# Altium PCB top_INA_v1.PcbDoc (part 2 of 4) (continued)
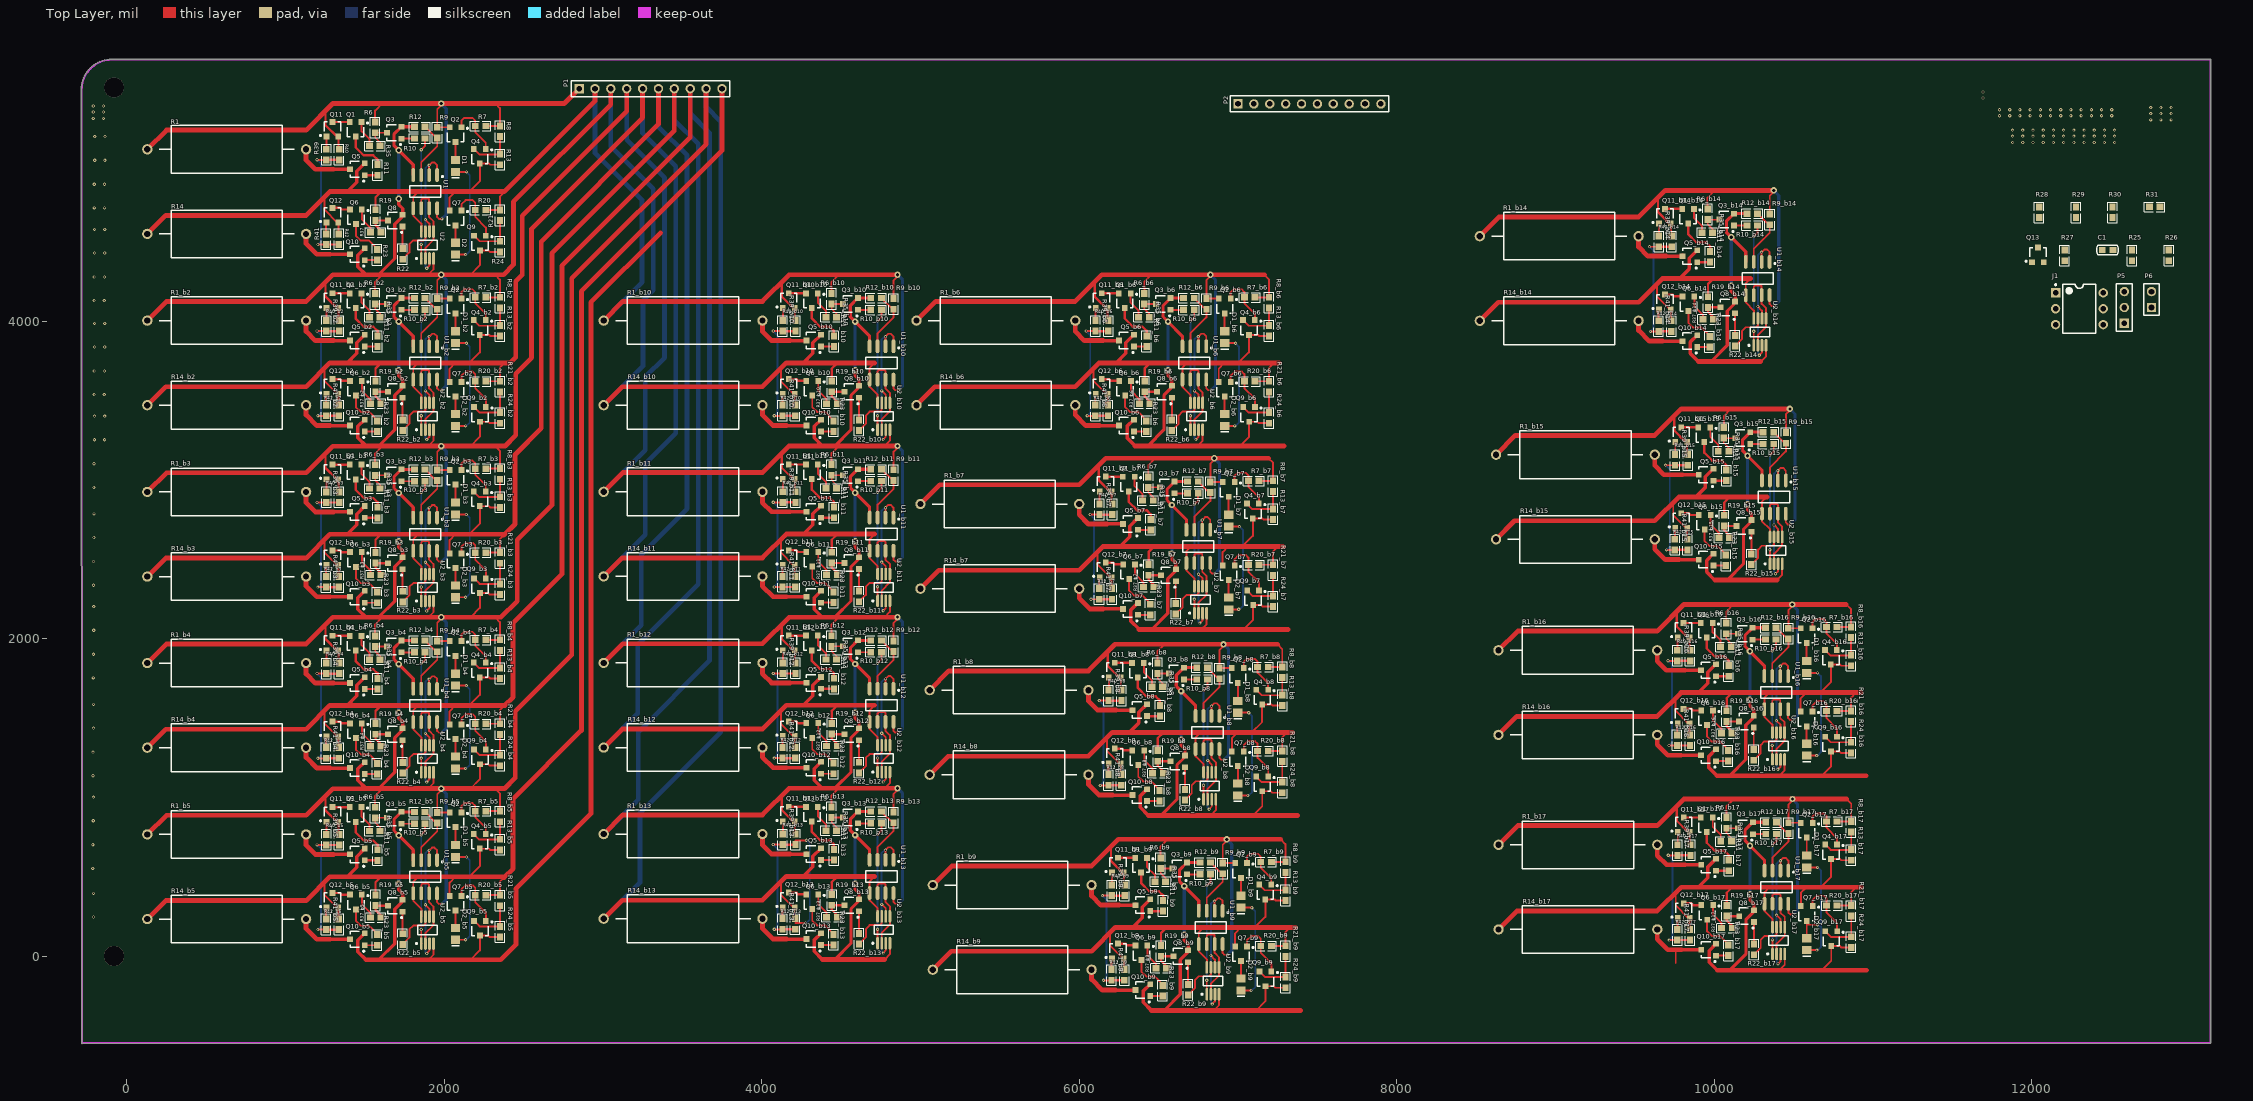
[diagram p0: Top Layer view]
## Nets (pads, with @x,y where several pads share a name; then routed paths per layer and width w, separated by ;. In a path a pad name is that pad's centre, name@x,y a point inside that pad or via, vN(x,y) a via of type N, cw(c..) or ccw(c..) an arc to the next point about the centre after c; other vN are vias at no path point) (continued)
G1_VC1_VOL_b2: R9_b2.1 R12_b2.2 U1_b2.3 | length 381.5
  Top Layer w12: U1_b2.3@1855.87,3841.02 1855.87,3922.54 1956.87,4023.54 R9_b2.1@1956.87,4075.07 1950.06,4075.07 R12_b2.2@1880.2,4144.94
G1_VC1_VOL_b3: R9_b3.1 R12_b3.2 U1_b3.3 | length 381.5
  Top Layer w12: U1_b3.3@1855.87,2762.02 1855.87,2843.54 1956.87,2944.54 R9_b3.1@1956.87,2996.07 1950.06,2996.07 R12_b3.2@1880.2,3065.94
G1_VC1_VOL_b4: R9_b4.1 R12_b4.2 U1_b4.3 | length 381.5
  Top Layer w12: U1_b4.3@1855.87,1684.02 1855.87,1765.54 1956.87,1866.54 R9_b4.1@1956.87,1918.07 1950.06,1918.07 R12_b4.2@1880.2,1987.94
G1_VC1_VOL_b5: R9_b5.1 R12_b5.2 U1_b5.3 | length 381.5
  Top Layer w12: U1_b5.3@1855.87,605.02 1855.87,686.54 1956.87,787.54 R9_b5.1@1956.87,839.07 1950.06,839.07 R12_b5.2@1880.2,908.94
G1_VC1_VOL_b6: R9_b6.1 R12_b6.2 U1_b6.3 | length 381.5
  Top Layer w12: U1_b6.3@6699.87,3841.02 6699.87,3922.54 6800.87,4023.54 R9_b6.1@6800.87,4075.07 6794.06,4075.07 R12_b6.2@6724.2,4144.94
G1_VC1_VOL_b7: R9_b7.1 R12_b7.2 U1_b7.3 | length 381.5
  Top Layer w12: U1_b7.3@6724.87,2685.76 6724.87,2767.28 6825.87,2868.28 R9_b7.1@6825.87,2919.81 6819.06,2919.81 R12_b7.2@6749.2,2989.68
G1_VC1_VOL_b8: R9_b8.1 R12_b8.2 U1_b8.3 | length 381.5
  Top Layer w12: U1_b8.3@6782.87,1513.76 6782.87,1595.28 6883.87,1696.28 R9_b8.1@6883.87,1747.81 6877.06,1747.81 R12_b8.2@6807.2,1817.68
G1_VC1_VOL_b9: R9_b9.1 R12_b9.2 U1_b9.3 | length 381.5
  Top Layer w12: U1_b9.3@6802.87,285.76 6802.87,367.28 6903.87,468.28 R9_b9.1@6903.87,519.81 6897.06,519.81 R12_b9.2@6827.2,589.68
G1_VC1_VOL_b10: R9_b10.1 R12_b10.2 U1_b10.3 | length 381.5
  Top Layer w12: U1_b10.3@4729.87,3841.02 4729.87,3922.54 4830.87,4023.54 R9_b10.1@4830.87,4075.07 4824.06,4075.07 R12_b10.2@4754.2,4144.94
G1_VC1_VOL_b11: R9_b11.1 R12_b11.2 U1_b11.3 | length 381.5
  Top Layer w12: U1_b11.3@4729.87,2763.02 4729.87,2844.54 4830.87,2945.54 R9_b11.1@4830.87,2997.07 4824.06,2997.07 R12_b11.2@4754.2,3066.94
G1_VC1_VOL_b12: R9_b12.1 R12_b12.2 U1_b12.3 | length 381.5
  Top Layer w12: U1_b12.3@4729.87,1685.02 4729.87,1766.54 4830.87,1867.54 R9_b12.1@4830.87,1919.07 4824.06,1919.07 R12_b12.2@4754.2,1988.94
G1_VC1_VOL_b13: R9_b13.1 R12_b13.2 U1_b13.3 | length 381.5
  Top Layer w12: U1_b13.3@4729.87,607.02 4729.87,688.54 4830.87,789.54 R9_b13.1@4830.87,841.07 4824.06,841.07 R12_b13.2@4754.2,910.94
G1_VC1_VOL_b14: R9_b14.1 R12_b14.2 U1_b14.3 | length 381.5
  Top Layer w12: U1_b14.3@10247.87,4372.76 10247.87,4454.28 10348.87,4555.28 R9_b14.1@10348.87,4606.81 10342.06,4606.81 R12_b14.2@10272.2,4676.68
G1_VC1_VOL_b15: R9_b15.1 R12_b15.2 U1_b15.3 | length 381.5
  Top Layer w12: U1_b15.3@10349.87,2996.5 10349.87,3078.02 10450.87,3179.02 R9_b15.1@10450.87,3230.55 10444.06,3230.55 R12_b15.2@10374.2,3300.42
G1_VC1_VOL_b16: R9_b16.1 R12_b16.2 U1_b16.3 | length 381.5
  Top Layer w12: U1_b16.3@10364.87,1764.76 10364.87,1846.28 10465.87,1947.28 R9_b16.1@10465.87,1998.81 10459.06,1998.81 R12_b16.2@10389.2,2068.68
G1_VC1_VOL_b17: R9_b17.1 R12_b17.2 U1_b17.3 | length 381.5
  Top Layer w12: U1_b17.3@10365.87,539.5 10365.87,621.02 10466.87,722.02 R9_b17.1@10466.87,773.55 10460.06,773.55 R12_b17.2@10390.2,843.42
G1_VC2_BUF: U1.6 U1.7 U2.2 U2.5 | length 512.1
  Top Layer w12: U1.6@1855.87,4711.05 1855.87,4763.54 1863.87,4771.54 1900.87,4771.54 1905.87,4766.54 U1.7@1905.87,4711.05 1905.87,4655.54 1933.25,4628.15 U2.5@1933.25,4564.18 1933.25,4510.92 1882.07,4459.74 U2.2@1882.07,4394.89
G1_VC2_BUF_b2: U1_b2.6 U1_b2.7 U2_b2.2 U2_b2.5 | length 512.1
  Top Layer w12: U1_b2.6@1855.87,3632.05 1855.87,3684.54 1863.87,3692.54 1900.87,3692.54 1905.87,3687.54 U1_b2.7@1905.87,3632.05 1905.87,3576.54 1933.25,3549.15 U2_b2.5@1933.25,3485.18 1933.25,3431.92 1882.07,3380.74 U2_b2.2@1882.07,3315.89
G1_VC2_BUF_b3: U1_b3.6 U1_b3.7 U2_b3.2 U2_b3.5 | length 512.1
  Top Layer w12: U1_b3.6@1855.87,2553.05 1855.87,2605.54 1863.87,2613.54 1900.87,2613.54 1905.87,2608.54 U1_b3.7@1905.87,2553.05 1905.87,2497.54 1933.25,2470.15 U2_b3.5@1933.25,2406.18 1933.25,2352.92 1882.07,2301.74 U2_b3.2@1882.07,2236.89
G1_VC2_BUF_b4: U1_b4.6 U1_b4.7 U2_b4.2 U2_b4.5 | length 512.1
  Top Layer w12: U1_b4.6@1855.87,1475.05 1855.87,1527.54 1863.87,1535.54 1900.87,1535.54 1905.87,1530.54 U1_b4.7@1905.87,1475.05 1905.87,1419.54 1933.25,1392.15 U2_b4.5@1933.25,1328.18 1933.25,1274.92 1882.07,1223.74 U2_b4.2@1882.07,1158.89
G1_VC2_BUF_b5: U1_b5.6 U1_b5.7 U2_b5.2 U2_b5.5 | length 512.1
  Top Layer w12: U1_b5.6@1855.87,396.05 1855.87,448.54 1863.87,456.54 1900.87,456.54 1905.87,451.54 U1_b5.7@1905.87,396.05 1905.87,340.54 1933.25,313.15 U2_b5.5@1933.25,249.18 1933.25,195.92 1882.07,144.74 U2_b5.2@1882.07,79.89
G1_VC2_BUF_b6: U1_b6.6 U1_b6.7 U2_b6.2 U2_b6.5 | length 512.1
  Top Layer w12: U1_b6.6@6699.87,3632.05 6699.87,3684.54 6707.87,3692.54 6744.87,3692.54 6749.87,3687.54 U1_b6.7@6749.87,3632.05 6749.87,3576.54 6777.25,3549.15 U2_b6.5@6777.25,3485.18 6777.25,3431.92 6726.07,3380.74 U2_b6.2@6726.07,3315.89
G1_VC2_BUF_b7: U1_b7.6 U1_b7.7 U2_b7.2 U2_b7.5 | length 512.1
  Top Layer w12: U1_b7.6@6724.87,2476.79 6724.87,2529.28 6732.87,2537.28 6769.87,2537.28 6774.87,2532.28 U1_b7.7@6774.87,2476.79 6774.87,2421.28 6802.25,2393.89 U2_b7.5@6802.25,2329.92 6802.25,2276.66 6751.07,2225.48 U2_b7.2@6751.07,2160.63
G1_VC2_BUF_b8: U1_b8.6 U1_b8.7 U2_b8.2 U2_b8.5 | length 512.1
  Top Layer w12: U1_b8.6@6782.87,1304.79 6782.87,1357.28 6790.87,1365.28 6827.87,1365.28 6832.87,1360.28 U1_b8.7@6832.87,1304.79 6832.87,1249.28 6860.25,1221.89 U2_b8.5@6860.25,1157.92 6860.25,1104.66 6809.07,1053.48 U2_b8.2@6809.07,988.63
G1_VC2_BUF_b9: U1_b9.6 U1_b9.7 U2_b9.2 U2_b9.5 | length 512.1
  Top Layer w12: U1_b9.6@6802.87,76.79 6802.87,129.28 6810.87,137.28 6847.87,137.28 6852.87,132.28 U1_b9.7@6852.87,76.79 6852.87,21.28 6880.25,-6.11 U2_b9.5@6880.25,-70.08 6880.25,-123.34 6829.07,-174.52 U2_b9.2@6829.07,-239.37
G1_VC2_BUF_b10: U1_b10.6 U1_b10.7 U2_b10.2 U2_b10.5 | length 512.1
  Top Layer w12: U1_b10.6@4729.87,3632.05 4729.87,3684.54 4737.87,3692.54 4774.87,3692.54 4779.87,3687.54 U1_b10.7@4779.87,3632.05 4779.87,3576.54 4807.25,3549.15 U2_b10.5@4807.25,3485.18 4807.25,3431.92 4756.07,3380.74 U2_b10.2@4756.07,3315.89
G1_VC2_BUF_b11: U1_b11.6 U1_b11.7 U2_b11.2 U2_b11.5 | length 512.1
  Top Layer w12: U1_b11.6@4729.87,2554.05 4729.87,2606.54 4737.87,2614.54 4774.87,2614.54 4779.87,2609.54 U1_b11.7@4779.87,2554.05 4779.87,2498.54 4807.25,2471.15 U2_b11.5@4807.25,2407.18 4807.25,2353.92 4756.07,2302.74 U2_b11.2@4756.07,2237.89
G1_VC2_BUF_b12: U1_b12.6 U1_b12.7 U2_b12.2 U2_b12.5 | length 512.1
  Top Layer w12: U1_b12.6@4729.87,1476.05 4729.87,1528.54 4737.87,1536.54 4774.87,1536.54 4779.87,1531.54 U1_b12.7@4779.87,1476.05 4779.87,1420.54 4807.25,1393.15 U2_b12.5@4807.25,1329.18 4807.25,1275.92 4756.07,1224.74 U2_b12.2@4756.07,1159.89
G1_VC2_BUF_b13: U1_b13.6 U1_b13.7 U2_b13.2 U2_b13.5 | length 512.1
  Top Layer w12: U1_b13.6@4729.87,398.05 4729.87,450.54 4737.87,458.54 4774.87,458.54 4779.87,453.54 U1_b13.7@4779.87,398.05 4779.87,342.54 4807.25,315.15 U2_b13.5@4807.25,251.18 4807.25,197.92 4756.07,146.74 U2_b13.2@4756.07,81.89
G1_VC2_BUF_b14: U1_b14.6 U1_b14.7 U2_b14.2 U2_b14.5 | length 512.1
  Top Layer w12: U1_b14.6@10247.87,4163.79 10247.87,4216.28 10255.87,4224.28 10292.87,4224.28 10297.87,4219.28 U1_b14.7@10297.87,4163.79 10297.87,4108.28 10325.25,4080.89 U2_b14.5@10325.25,4016.92 10325.25,3963.66 10274.07,3912.48 U2_b14.2@10274.07,3847.63
G1_VC2_BUF_b15: U1_b15.6 U1_b15.7 U2_b15.2 U2_b15.5 | length 512.1
  Top Layer w12: U1_b15.6@10349.87,2787.53 10349.87,2840.02 10357.87,2848.02 10394.87,2848.02 10399.87,2843.02 U1_b15.7@10399.87,2787.53 10399.87,2732.02 10427.25,2704.63 U2_b15.5@10427.25,2640.66 10427.25,2587.4 10376.07,2536.22 U2_b15.2@10376.07,2471.37
G1_VC2_BUF_b16: U1_b16.6 U1_b16.7 U2_b16.2 U2_b16.5 | length 512.1
  Top Layer w12: U1_b16.6@10364.87,1555.79 10364.87,1608.28 10372.87,1616.28 10409.87,1616.28 10414.87,1611.28 U1_b16.7@10414.87,1555.79 10414.87,1500.28 10442.25,1472.89 U2_b16.5@10442.25,1408.92 10442.25,1355.66 10391.07,1304.48 U2_b16.2@10391.07,1239.63
G1_VC2_BUF_b17: U1_b17.6 U1_b17.7 U2_b17.2 U2_b17.5 | length 512.1
  Top Layer w12: U1_b17.6@10365.87,330.53 10365.87,383.02 10373.87,391.02 10410.87,391.02 10415.87,386.02 U1_b17.7@10415.87,330.53 10415.87,275.02 10443.25,247.63 U2_b17.5@10443.25,183.66 10443.25,130.4 10392.07,79.22 U2_b17.2@10392.07,14.37
G1_VC2_DISCH: R22.1 U2.7 | length 271.5
  Top Layer w12: R22.1@1738.87,4390.07 1781.87,4433.07 1781.87,4484.54 1805.87,4508.54 1870.87,4508.54 1882.07,4519.74 U2.7@1882.07,4564.18
G1_VC2_DISCH_b2: R22_b2.1 U2_b2.7 | length 271.5
  Top Layer w12: R22_b2.1@1738.87,3311.07 1781.87,3354.07 1781.87,3405.54 1805.87,3429.54 1870.87,3429.54 1882.07,3440.74 U2_b2.7@1882.07,3485.18
G1_VC2_DISCH_b3: R22_b3.1 U2_b3.7 | length 271.5
  Top Layer w12: R22_b3.1@1738.87,2232.07 1781.87,2275.07 1781.87,2326.54 1805.87,2350.54 1870.87,2350.54 1882.07,2361.74 U2_b3.7@1882.07,2406.18
G1_VC2_DISCH_b4: R22_b4.1 U2_b4.7 | length 271.5
  Top Layer w12: R22_b4.1@1738.87,1154.07 1781.87,1197.07 1781.87,1248.54 1805.87,1272.54 1870.87,1272.54 1882.07,1283.74 U2_b4.7@1882.07,1328.18
G1_VC2_DISCH_b5: R22_b5.1 U2_b5.7 | length 271.5
  Top Layer w12: R22_b5.1@1738.87,75.07 1781.87,118.07 1781.87,169.54 1805.87,193.54 1870.87,193.54 1882.07,204.74 U2_b5.7@1882.07,249.18
G1_VC2_DISCH_b6: R22_b6.1 U2_b6.7 | length 271.5
  Top Layer w12: R22_b6.1@6582.87,3311.07 6625.87,3354.07 6625.87,3405.54 6649.87,3429.54 6714.87,3429.54 6726.07,3440.74 U2_b6.7@6726.07,3485.18
G1_VC2_DISCH_b7: R22_b7.1 U2_b7.7 | length 271.5
  Top Layer w12: R22_b7.1@6607.87,2155.81 6650.87,2198.81 6650.87,2250.28 6674.87,2274.28 6739.87,2274.28 6751.07,2285.48 U2_b7.7@6751.07,2329.92
G1_VC2_DISCH_b8: R22_b8.1 U2_b8.7 | length 271.5
  Top Layer w12: R22_b8.1@6665.87,983.81 6708.87,1026.81 6708.87,1078.28 6732.87,1102.28 6797.87,1102.28 6809.07,1113.48 U2_b8.7@6809.07,1157.92
G1_VC2_DISCH_b9: R22_b9.1 U2_b9.7 | length 271.5
  Top Layer w12: R22_b9.1@6685.87,-244.19 6728.87,-201.19 6728.87,-149.72 6752.87,-125.72 6817.87,-125.72 6829.07,-114.52 U2_b9.7@6829.07,-70.08
G1_VC2_DISCH_b10: R22_b10.1 U2_b10.7 | length 271.5
  Top Layer w12: R22_b10.1@4612.87,3311.07 4655.87,3354.07 4655.87,3405.54 4679.87,3429.54 4744.87,3429.54 4756.07,3440.74 U2_b10.7@4756.07,3485.18
G1_VC2_DISCH_b11: R22_b11.1 U2_b11.7 | length 271.5
  Top Layer w12: R22_b11.1@4612.87,2233.07 4655.87,2276.07 4655.87,2327.54 4679.87,2351.54 4744.87,2351.54 4756.07,2362.74 U2_b11.7@4756.07,2407.18
G1_VC2_DISCH_b12: R22_b12.1 U2_b12.7 | length 271.5
  Top Layer w12: R22_b12.1@4612.87,1155.07 4655.87,1198.07 4655.87,1249.54 4679.87,1273.54 4744.87,1273.54 4756.07,1284.74 U2_b12.7@4756.07,1329.18
G1_VC2_DISCH_b13: R22_b13.1 U2_b13.7 | length 271.5
  Top Layer w12: R22_b13.1@4612.87,77.07 4655.87,120.07 4655.87,171.54 4679.87,195.54 4744.87,195.54 4756.07,206.74 U2_b13.7@4756.07,251.18
G1_VC2_DISCH_b14: R22_b14.1 U2_b14.7 | length 271.5
  Top Layer w12: R22_b14.1@10130.87,3842.81 10173.87,3885.81 10173.87,3937.28 10197.87,3961.28 10262.87,3961.28 10274.07,3972.48 U2_b14.7@10274.07,4016.92
G1_VC2_DISCH_b15: R22_b15.1 U2_b15.7 | length 271.5
  Top Layer w12: R22_b15.1@10232.87,2466.55 10275.87,2509.55 10275.87,2561.02 10299.87,2585.02 10364.87,2585.02 10376.07,2596.22 U2_b15.7@10376.07,2640.66
G1_VC2_DISCH_b16: R22_b16.1 U2_b16.7 | length 271.5
  Top Layer w12: R22_b16.1@10247.87,1234.81 10290.87,1277.81 10290.87,1329.28 10314.87,1353.28 10379.87,1353.28 10391.07,1364.48 U2_b16.7@10391.07,1408.92
G1_VC2_DISCH_b17: R22_b17.1 U2_b17.7 | length 271.5
  Top Layer w12: R22_b17.1@10248.87,9.55 10291.87,52.55 10291.87,104.02 10315.87,128.02 10380.87,128.02 10392.07,139.22 U2_b17.7@10392.07,183.66
GND: P6.1 P6.2
  other v1: -208.25,247 -208,396 -212.25,553 -212,702 -209.25,853 -209,1002 -211.25,1137 -211,1286 -208.25,1437 -208,1586 -209.25,1753 -209,1902 -206.25,2053 -206,2202 -208.25,2337 -208,2486 -205.25,2637 -205,2786 -205.25,2953 -205,3102 -202.25,3253 -138,3253 -202,3402 -137.75,3402 -204.25,3537 -140,3537 -204,3686 -139.75,3686 -201.25,3837 -137,3837 -201,3986 -136.75,3986 -204.25,4129 -140,4129 -204,4278 -139.75,4278 -201.25,4429 -137,4429 -201,4578 -136.75,4578 -203.25,4713 -139,4713 -203,4862 -138.75,4862 -200.25,5013 -136,5013 11878.5,5125 11942.75,5125 12007,5125 12071.25,5125 12135.5,5125 12199.75,5125 12264,5125 12328.25,5125 12392.5,5125 12456.75,5125 12521,5125 -200,5162 -135.75,5162 11878.5,5165 11942.75,5165 12007,5165 12071.25,5165 12135.5,5165 12199.75,5165 12264,5165 12328.25,5165 12392.5,5165 12456.75,5165 12521,5165 11878.5,5203 11942.75,5203 12007,5203 12071.25,5203 12135.5,5203 12199.75,5203 12264,5203 12328.25,5203 12392.5,5203 12456.75,5203 12521,5203 12748,5267 12812.25,5267 12876.5,5267 -210,5277 -145.75,5277 11796,5293 11860.25,5293 11924.5,5293 11988.75,5293 12053,5293 12117.25,5293 12181.5,5293 12245.75,5293 12310,5293 12374.25,5293 12438.5,5293 12502.75,5293 12748,5307 12812.25,5307 12876.5,5307 -210,5317 -145.75,5317 11796,5331 11860.25,5331 11924.5,5331 11988.75,5331 12053,5331 12117.25,5331 12181.5,5331 12245.75,5331 12310,5331 12374.25,5331 12438.5,5331 12502.75,5331 12748,5345 12812.25,5345 12876.5,5345 -210,5355 -145.75,5355 11692,5405 11692,5443
IN_A0: P1.1 Q2.2 Q11.2 R1.2 R6.2 R7.2 R8.2 R9.2 R40.1 U1.8 | length 4603.5
  Top Layer w12: Q11.2@1334.4,5162 1334.4,5087.32 R40.1@1339,5082.72 ; R6.2@1565.87,5253.46 1565.87,5325.79 1610.61,5370.54 ; U1.8@1955.87,4711.05 1955.87,4655.54 1967.87,4643.54 v1(1985.87,4643.54) ; v2(1981.87,5370.54) 1981.87,5360.54 1956.87,5335.54 R9.2@1956.87,5221 2034.26,5221 Q2.2@2034.46,5220.8 ; R7.2@2263.33,5228.54 2351.4,5228.54 R8.2@2351.87,5229 2351.87,5340.92 2322.25,5370.54
  Top Layer w15: 1253,5319.79 1253,5233.82 Q11.2@1324.82,5162
  Top Layer w20: Q11.2@1324.82,5162 Q11.2@1334.4,5162
  Top Layer w30: R1.2@131,5082.26 252.02,5203.28 1131,5203.28 1298.25,5370.54 1610.61,5370.54 v2(1981.87,5370.54) ; v2@1991.87,5370.54 2322.25,5370.54 2756.54,5370.54 P1.1@2850,5464
  Bottom Layer w20: v2(1981.87,5370.54) 2013.87,5338.54 2013.87,4671.54 v1(1985.87,4643.54)
IN_A1: P1.3 Q2_b2.2 Q3.2 Q5_b10.2 Q8.2 Q9.3 Q10.2 Q11_b2.2 Q12_b10.2 R1_b2.2 R6_b2.2 R7_b2.2 R8_b2.2 R9_b2.2 R12.1 R14_b10.2 R19_b10.2 R24.1 R40_b2.1 R42_b10.1 U1.4 U1_b2.8 U1_b10.5 U2.4 U2_b10.8 | length 13256.9
  Top Layer w12: Q11_b2.2@1334.4,4083 1334.4,4008.32 R40_b2.1@1339,4003.72 ; R6_b2.2@1565.87,4174.46 1565.87,4246.79 1610.61,4291.54 ; 1898.87,4291.54 1899.8,4292.46 1933.25,4325.92 U2.4@1933.25,4394.89 ; U1_b2.8@1955.87,3632.05 1955.87,3576.54 1967.87,3564.54 v1(1985.87,3564.54) ; v2(1981.87,4291.54) 1981.87,4281.54 1956.87,4256.54 R9_b2.2@1956.87,4142 2034.26,4142 Q2_b2.2@2034.46,4141.8 ; 2166.25,4292.46 2225.87,4352.08 Q9.3@2225.87,4445.28 2278.61,4445.28 2287.81,4436.07 R24.1@2351.87,4436.07 ; R7_b2.2@2263.33,4149.54 2351.4,4149.54 R8_b2.2@2351.87,4150 2351.87,4261.92 2322.25,4291.54 ; 4121,3701.04 4121,3621.26 4200.26,3542 Q12_b10.2@4208.4,3542 4208.4,3473.32 R42_b10.1@4211,3470.72 ; 4710.87,3736.54 4679.87,3705.54 U1_b10.5@4679.87,3632.05 4679.87,3585.54 4730.48,3534.92 U2_b10.8@4730.48,3485.18
  Top Layer w15: 1253,4240.79 1253,4154.82 Q11_b2.2@1324.82,4083 ; R19_b10.2@4441.87,3622 4441.87,3701.54 4476.87,3736.54 4480.87,3736.54
  Top Layer w20: Q11_b2.2@1324.82,4083 Q11_b2.2@1334.4,4083 ; 1589.87,4295.07 1688.87,4394.07 1688.87,4611.09 1739.13,4661.35 Q8.2@1739.13,4670.94 1739.13,4709.28 1714.73,4733.67 v2(1714.73,4770.54) ; 1609.87,4291.54 1610.8,4292.46 ; U1.4@1805.87,4920.02 1805.87,4984.8 v2(1714.73,5075.94) 1683.73,5106.94 1683.73,5176.08 Q3.2@1731.99,5224.34 R12.1@1812.87,5224.34
  Top Layer w22: Q10.2@1500.13,4458.94 1456.87,4415.68 1456.87,4343.54 1507.94,4292.46 ; 4262.87,3736.54 4322.87,3796.54 4322.87,3863.68 Q5_b10.2@4374.13,3914.94
  Top Layer w30: R1_b2.2@131,4003.26 252.02,4124.28 1131,4124.28 1298.25,4291.54 1609.87,4291.54 1610.61,4291.54 1898.87,4291.54 v2(1981.87,4291.54) ; 1507.94,4292.46 1610.8,4292.46 1899.8,4292.46 2166.25,4292.46 2375,4292.46 2437,4354.46 2437,4750.58 3050,5363.58 P1.3@3050,5464 ; v2@1991.87,4291.54 2322.25,4291.54 ; R14_b10.2@3005,3470.26 3121.28,3586.54 4005,3586.54 4155,3736.54 4262.87,3736.54 4476.87,3736.54 ; 4480.87,3736.54 4710.87,3736.54
  Bottom Layer w20: v2(1714.73,4770.54) v2(1714.73,5075.94) ; v2(1981.87,4291.54) 2013.87,4259.54 2013.87,3592.54 v1(1985.87,3564.54)
  Bottom Layer w30: R14_b10.2@3005,3470.26 3252,3717.26 3252,4129.26 3317.74,4195 3317.74,4832.74 3050,5100.47 P1.3@3050,5464
IN_A2: P1.5 Q2_b3.2 Q3_b2.2 Q5_b11.2 Q8_b2.2 Q9_b2.3 Q10_b2.2 Q11_b3.2 Q12_b11.2 R1_b3.2 R6_b3.2 R7_b3.2 R8_b3.2 R9_b3.2 R12_b2.1 R14_b11.2 R19_b11.2 R24_b2.1 R40_b3.1 R42_b11.1 U1_b2.4 U1_b3.8 U1_b11.5 U2_b2.4 U2_b11.8 | length 15536.3
  Top Layer w12: Q11_b3.2@1334.4,3004 1334.4,2929.32 R40_b3.1@1339,2924.72 ; R6_b3.2@1565.87,3095.46 1565.87,3167.79 1610.61,3212.54 ; 1898.87,3212.54 1899.8,3213.46 1933.25,3246.92 U2_b2.4@1933.25,3315.89 ; U1_b3.8@1955.87,2553.05 1955.87,2497.54 1967.87,2485.54 v1(1985.87,2485.54) ; v2(1981.87,3212.54) 1981.87,3202.54 1956.87,3177.54 R9_b3.2@1956.87,3063 2034.26,3063 Q2_b3.2@2034.46,3062.8 ; 2166.25,3213.46 2225.87,3273.08 Q9_b2.3@2225.87,3366.28 2278.61,3366.28 2287.81,3357.07 R24_b2.1@2351.87,3357.07 ; R7_b3.2@2263.33,3070.54 2351.4,3070.54 R8_b3.2@2351.87,3071 2351.87,3182.92 2322.25,3212.54 ; 4121,2623.04 4121,2543.26 4200.26,2464 Q12_b11.2@4208.4,2464 4208.4,2395.32 R42_b11.1@4211,2392.72 ; 4710.87,2658.54 4679.87,2627.54 U1_b11.5@4679.87,2554.05 4679.87,2507.54 4730.48,2456.92 U2_b11.8@4730.48,2407.18
  Top Layer w15: 1253,3161.79 1253,3075.82 Q11_b3.2@1324.82,3004 ; R19_b11.2@4441.87,2544 4441.87,2623.54 4476.87,2658.54 4480.87,2658.54
  Top Layer w20: Q11_b3.2@1324.82,3004 Q11_b3.2@1334.4,3004 ; 1589.87,3216.07 1688.87,3315.07 1688.87,3532.09 1739.13,3582.35 Q8_b2.2@1739.13,3591.94 1739.13,3630.28 1714.73,3654.67 v2(1714.73,3691.54) ; 1609.87,3212.54 1610.8,3213.46 ; U1_b2.4@1805.87,3841.02 1805.87,3905.8 v2(1714.73,3996.94) 1683.73,4027.94 1683.73,4097.08 Q3_b2.2@1731.99,4145.34 R12_b2.1@1812.87,4145.34
  Top Layer w22: Q10_b2.2@1500.13,3379.94 1456.87,3336.68 1456.87,3264.54 1507.94,3213.46 ; 4262.87,2658.54 4322.87,2718.54 4322.87,2785.68 Q5_b11.2@4374.13,2836.94
  Top Layer w30: R1_b3.2@131,2924.26 252.02,3045.28 1131,3045.28 1298.25,3212.54 1609.87,3212.54 1610.61,3212.54 1898.87,3212.54 v2(1981.87,3212.54) ; 1507.94,3213.46 1610.8,3213.46 1899.8,3213.46 2166.25,3213.46 2384,3213.46 2451,3280.46 2451,3670 2551,3770 2551,4581.74 3250,5280.74 P1.5@3250,5464 ; v2@1991.87,3212.54 2322.25,3212.54 ; R14_b11.2@3005,2392.26 3121.28,2508.54 4005,2508.54 4155,2658.54 4262.87,2658.54 4476.87,2658.54 ; 4480.87,2658.54 4710.87,2658.54
  Bottom Layer w20: v2(1714.73,3691.54) v2(1714.73,3996.94) ; v2(1981.87,3212.54) 2013.87,3180.54 2013.87,2513.54 v1(1985.87,2485.54)
  Bottom Layer w30: R14_b11.2@3005,2392.26 3267,2654.26 3267,3101 3459.16,3293.16 3459.16,4974.16 3250,5183.31 P1.5@3250,5464
IN_A3: P1.7 Q2_b4.2 Q3_b3.2 Q5_b12.2 Q8_b3.2 Q9_b3.3 Q10_b3.2 Q11_b4.2 Q12_b12.2 R1_b4.2 R6_b4.2 R7_b4.2 R8_b4.2 R9_b4.2 R12_b3.1 R14_b12.2 R19_b12.2 R24_b3.1 R40_b4.1 R42_b12.1 U1_b3.4 U1_b4.8 U1_b12.5 U2_b3.4 U2_b12.8 | length 17795.3
  Top Layer w12: Q11_b4.2@1334.4,1926 1334.4,1851.32 R40_b4.1@1339,1846.72 ; R6_b4.2@1565.87,2017.46 1565.87,2089.79 1610.54,2134.46 1610.61,2134.54 ; 1898.87,2133.54 1899.8,2134.46 1899.87,2134.54 1933.25,2167.92 U2_b3.4@1933.25,2236.89 ; U1_b4.8@1955.87,1475.05 1955.87,1419.54 1967.87,1407.54 v1(1985.87,1407.54) ; v2(1981.87,2134.54) v2(1981.87,2134.54) 1981.87,2124.54 1956.87,2099.54 R9_b4.2@1956.87,1985 2034.26,1985 Q2_b4.2@2034.46,1984.8 ; 2166.25,2134.46 2166.32,2134.54 2225.87,2194.08 Q9_b3.3@2225.87,2287.28 2278.61,2287.28 2287.81,2278.07 R24_b3.1@2351.87,2278.07 ; R7_b4.2@2263.33,1992.54 2351.4,1992.54 R8_b4.2@2351.87,1993 2351.87,2104.92 2322.32,2134.46 2322.25,2134.54 ; 4121,1545.04 4121,1465.26 4200.26,1386 Q12_b12.2@4208.4,1386 4208.4,1317.32 R42_b12.1@4211,1314.72 ; 4710.87,1580.54 4679.87,1549.54 U1_b12.5@4679.87,1476.05 4679.87,1429.54 4730.48,1378.92 U2_b12.8@4730.48,1329.18
  Top Layer w15: 1253,2083.79 1253,1997.82 Q11_b4.2@1324.82,1926 ; R19_b12.2@4441.87,1466 4441.87,1545.54 4476.87,1580.54 4480.87,1580.54
  Top Layer w20: Q11_b4.2@1324.82,1926 Q11_b4.2@1334.4,1926 ; 1589.87,2137.07 1688.87,2236.07 1688.87,2453.09 1739.13,2503.35 Q8_b3.2@1739.13,2512.94 1739.13,2551.28 1714.73,2575.67 v2(1714.73,2612.54) ; 1609.87,2133.54 1610.8,2134.46 ; U1_b3.4@1805.87,2762.02 1805.87,2826.8 v2(1714.73,2917.94) 1683.73,2948.94 1683.73,3018.08 Q3_b3.2@1731.99,3066.34 R12_b3.1@1812.87,3066.34
  Top Layer w22: Q10_b3.2@1500.13,2300.94 1456.87,2257.68 1456.87,2185.54 1507.87,2134.54 1507.94,2134.46 ; 4262.87,1580.54 4322.87,1640.54 4322.87,1707.68 Q5_b12.2@4374.13,1758.94
  Top Layer w30: R1_b4.2@131,1846.26 252.02,1967.28 1131,1967.28 1298.25,2134.54 1507.87,2134.54 1610.61,2134.54 1899.87,2134.54 v2(1981.87,2134.54) ; 1507.94,2134.46 1610.54,2134.46 1610.8,2134.46 1899.8,2134.46 v2(1981.87,2134.54) 2166.25,2134.46 2322.32,2134.46 2358,2134.46 2460,2236.46 2460,2622 2679,2841 2679,4426.89 3450,5197.89 P1.7@3450,5464 ; v2@1991.87,2134.54 2166.32,2134.54 2322.25,2134.54 ; R14_b12.2@3005,1314.26 3121.28,1430.54 4005,1430.54 4155,1580.54 4262.87,1580.54 4476.87,1580.54 ; 4480.87,1580.54 4710.87,1580.54
  Bottom Layer w20: v2(1714.73,2612.54) v2(1714.73,2917.94) ; v2(1981.87,2134.54) 2013.87,2102.54 2013.87,1435.54 v1(1985.87,1407.54)
  Bottom Layer w30: R14_b12.2@3005,1314.26 3220,1529.26 3220,1963 3600.58,2343.58 3600.58,5115.58 3450,5266.16 P1.7@3450,5464
IN_A4: P1.9 Q2_b5.2 Q3_b4.2 Q5_b13.2 Q8_b4.2 Q9_b4.3 Q10_b4.2 Q11_b5.2 Q12_b13.2 R1_b5.2 R6_b5.2 R7_b5.2 R8_b5.2 R9_b5.2 R12_b4.1 R14_b13.2 R19_b13.2 R24_b4.1 R40_b5.1 R42_b13.1 U1_b4.4 U1_b5.8 U1_b13.5 U2_b4.4 U2_b13.8 | length 20081.9
  Top Layer w12: Q11_b5.2@1334.4,847 1334.4,772.32 R40_b5.1@1339,767.72 ; R6_b5.2@1565.87,938.46 1565.87,1010.79 1610.61,1055.54 ; 1898.87,1055.54 1899.8,1056.46 1933.25,1089.92 U2_b4.4@1933.25,1158.89 ; U1_b5.8@1955.87,396.05 1955.87,340.54 1967.87,328.54 v1(1985.87,328.54) ; v2(1981.87,1055.54) 1981.87,1045.54 1956.87,1020.54 R9_b5.2@1956.87,906 2034.26,906 Q2_b5.2@2034.46,905.8 ; 2166.25,1056.46 2225.87,1116.08 Q9_b4.3@2225.87,1209.28 2278.61,1209.28 2287.81,1200.07 R24_b4.1@2351.87,1200.07 ; R7_b5.2@2263.33,913.54 2351.4,913.54 R8_b5.2@2351.87,914 2351.87,1025.92 2322.25,1055.54 ; 4121,467.04 4121,387.26 4200.26,308 Q12_b13.2@4208.4,308 4208.4,239.32 R42_b13.1@4211,236.72 ; 4710.87,502.54 4679.87,471.54 U1_b13.5@4679.87,398.05 4679.87,351.54 4730.48,300.92 U2_b13.8@4730.48,251.18
  Top Layer w15: 1253,1004.79 1253,918.82 Q11_b5.2@1324.82,847 ; R19_b13.2@4441.87,388 4441.87,467.54 4476.87,502.54 4480.87,502.54
  Top Layer w20: Q11_b5.2@1324.82,847 Q11_b5.2@1334.4,847 ; 1589.87,1059.07 1688.87,1158.07 1688.87,1375.09 1739.13,1425.35 Q8_b4.2@1739.13,1434.94 1739.13,1473.28 1714.73,1497.67 v2(1714.73,1534.54) ; 1609.87,1055.54 1610.8,1056.46 ; U1_b4.4@1805.87,1684.02 1805.87,1748.8 v2(1714.73,1839.94) 1683.73,1870.94 1683.73,1940.08 Q3_b4.2@1731.99,1988.34 R12_b4.1@1812.87,1988.34
  Top Layer w22: Q10_b4.2@1500.13,1222.94 1456.87,1179.68 1456.87,1107.54 1507.94,1056.46 ; 4262.87,502.54 4322.87,562.54 4322.87,629.68 Q5_b13.2@4374.13,680.94
  Top Layer w30: R1_b5.2@131,767.26 252.02,888.28 1131,888.28 1298.25,1055.54 1609.87,1055.54 1610.61,1055.54 1898.87,1055.54 v2(1981.87,1055.54) ; 1507.94,1056.46 1610.8,1056.46 1899.8,1056.46 2166.25,1056.46 2381,1056.46 2447.5,1122.96 2447.5,1541.5 2804,1898 2804,4269.05 3650,5115.05 P1.9@3650,5464 ; v2@1991.87,1055.54 2322.25,1055.54 ; R14_b13.2@3005,236.26 3121.28,352.54 4005,352.54 4155,502.54 4262.87,502.54 4476.87,502.54 ; 4480.87,502.54 4710.87,502.54
  Bottom Layer w20: v2(1714.73,1534.54) v2(1714.73,1839.94) ; v2(1981.87,1055.54) 2013.87,1023.54 2013.87,356.54 v1(1985.87,328.54)
  Bottom Layer w30: R14_b13.2@3005,236.26 3233,464.26 3233,901 3742,1410 3742,5257 3650,5349 P1.9@3650,5464
IN_A5: P2.1 Q2_b6.2 Q3_b5.2 Q5_b14.2 Q8_b5.2 Q9_b5.3 Q10_b5.2 Q11_b6.2 Q12_b14.2 R1_b6.2 R6_b6.2 R7_b6.2 R8_b6.2 R9_b6.2 R12_b5.1 R14_b14.2 R19_b14.2 R24_b5.1 R40_b6.1 R42_b14.1 U1_b5.4 U1_b6.8 U1_b14.5 U2_b5.4 U2_b14.8 | length 14549.1
  Top Layer w12: 1898.87,-23.46 1899.8,-22.54 1933.25,10.92 U2_b5.4@1933.25,79.89 ; 2166.25,-22.54 2225.87,37.08 Q9_b5.3@2225.87,130.28 2278.61,130.28 2287.81,121.07 R24_b5.1@2351.87,121.07 ; Q11_b6.2@6178.4,4083 6178.4,4008.32 R40_b6.1@6183,4003.72 ; R6_b6.2@6409.87,4174.46 6409.87,4246.79 6454.61,4291.54 ; U1_b6.8@6799.87,3632.05 6799.87,3576.54 6811.87,3564.54 v1(6829.87,3564.54) ; v2(6825.87,4291.54) 6825.87,4281.54 6800.87,4256.54 R9_b6.2@6800.87,4142 6878.26,4142 Q2_b6.2@6878.46,4141.8 ; R7_b6.2@7107.33,4149.54 7195.4,4149.54 R8_b6.2@7195.87,4150 7195.87,4261.92 7166.25,4291.54 ; 9639,4232.78 9639,4153 9718.26,4073.74 Q12_b14.2@9726.4,4073.74 9726.4,4005.06 R42_b14.1@9729,4002.46 ; 10228.87,4268.28 10197.87,4237.28 U1_b14.5@10197.87,4163.79 10197.87,4117.28 10248.48,4066.66 U2_b14.8@10248.48,4016.92
  Top Layer w15: 6097,4240.79 6097,4154.82 Q11_b6.2@6168.82,4083 ; R19_b14.2@9959.87,4153.74 9959.87,4233.28 9994.87,4268.28 9998.87,4268.28
  Top Layer w20: 1589.87,-19.93 1688.87,79.07 1688.87,296.09 1739.13,346.35 1739.13,394.28 1714.73,418.67 v2(1714.73,455.54) ; 1609.87,-23.46 1610.8,-22.54 ; U1_b5.4@1805.87,605.02 1805.87,669.8 v2(1714.73,760.94) 1683.73,791.94 1683.73,861.08 Q3_b5.2@1731.99,909.34 R12_b5.1@1812.87,909.34 ; Q11_b6.2@6168.82,4083 Q11_b6.2@6178.4,4083
  Top Layer w22: Q10_b5.2@1500.13,143.94 1456.87,100.68 1456.87,28.54 1507.94,-22.54 ; 9780.87,4268.28 9840.87,4328.28 9840.87,4395.42 Q5_b14.2@9892.13,4446.68
  Top Layer w30: 1507.94,-22.54 1610.8,-22.54 1899.8,-22.54 2166.25,-22.54 2357.46,-22.54 2452,72 2452,425 2925,898 2925,4118 3363,4556 ; R1_b6.2@4975,4003.26 5096.02,4124.28 5975,4124.28 6142.25,4291.54 6454.61,4291.54 v2(6825.87,4291.54) ; v2@6835.87,4291.54 7166.25,4291.54 ; R14_b14.2@8523,4002 8639.28,4118.28 9523,4118.28 9673,4268.28 9780.87,4268.28 9994.87,4268.28 ; 9998.87,4268.28 10228.87,4268.28
  Bottom Layer w20: v2(1714.73,455.54) v2(1714.73,760.94) ; v2(6825.87,4291.54) 6857.87,4259.54 6857.87,3592.54 v1(6829.87,3564.54)